# Altium PCB FPGA1.PcbDoc (part 1 of 5) (continued)
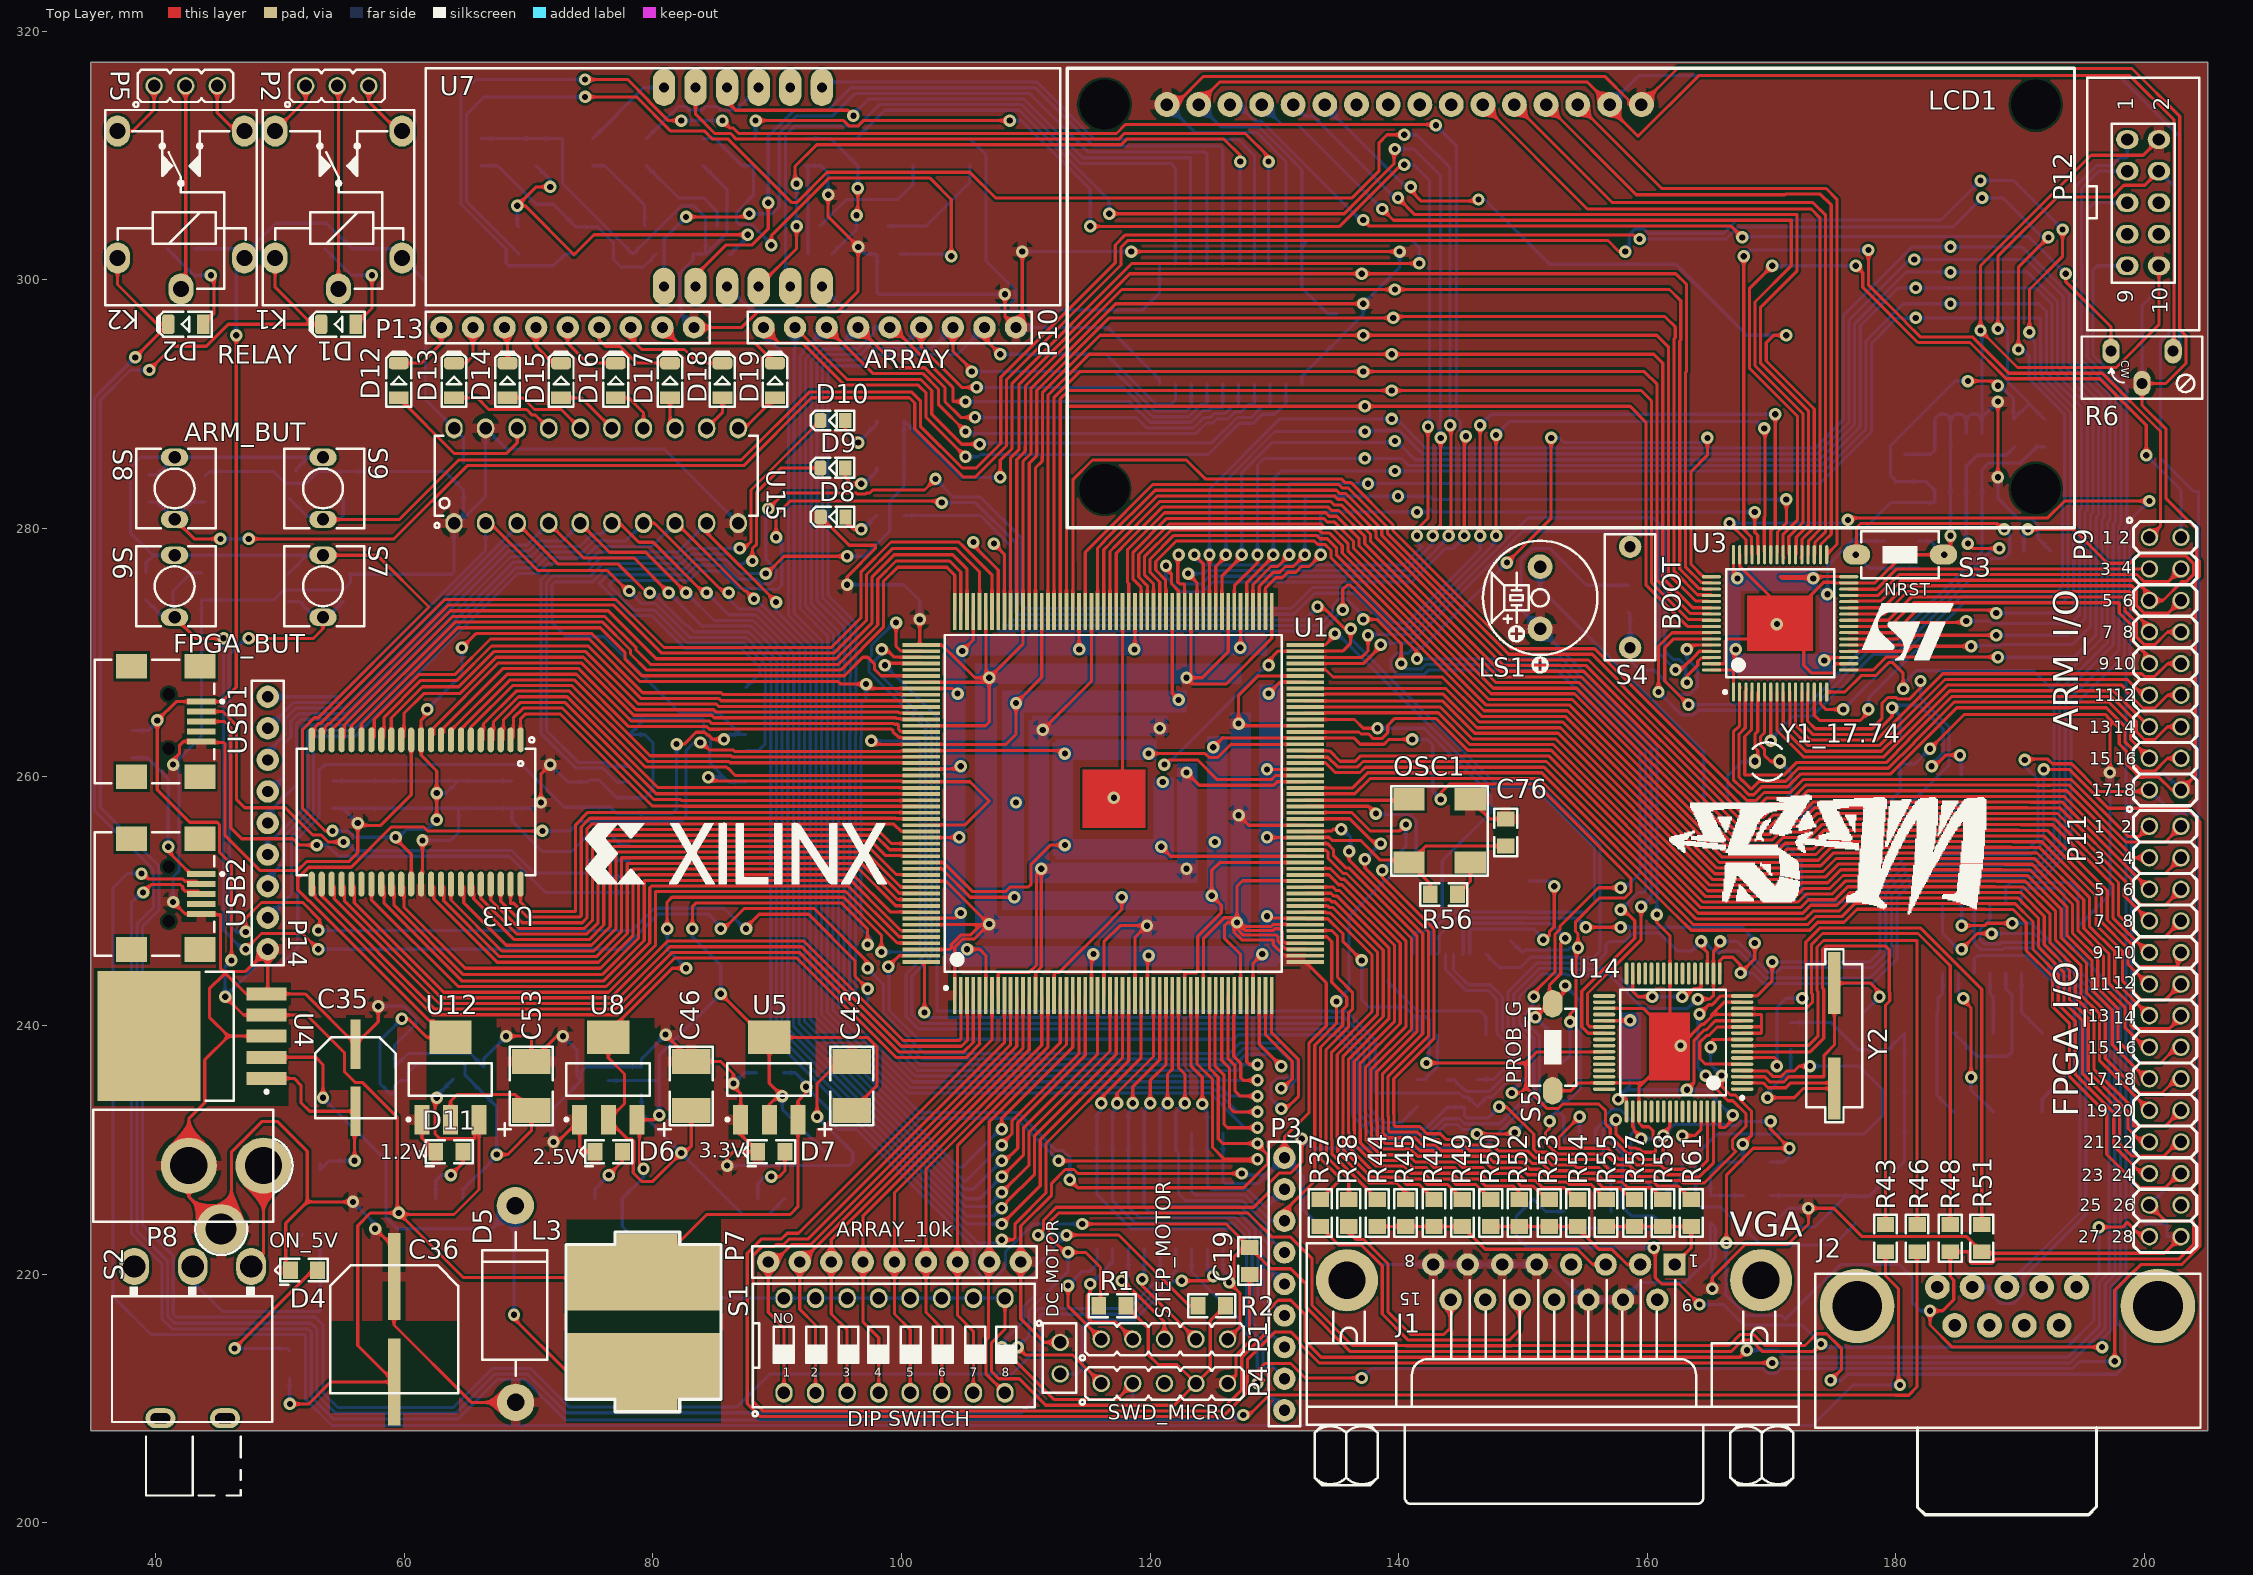
[diagram p0: Top Layer view]
## Footprints (in the part's own frame and the unit in brackets; to place one, negate y for a bottom-side part, rotate by r counter-clockwise, add the part's x,y. Pads: shape width x height; smd on the part's side, far side on the other; paste and mask are expansions set on the pad) (continued)
ADAP_JACK [mm]
  round 4.5 hole 3: 1(7.7,4.5) 2(13.7,4.5)
  round 4 hole 2.5: 1(10.3,-0.6)
  silkscreen extent 0,-2.68 16.04,9, body extent -0.1,-0.5 14.7,9, height 10
"Aray 9" [mm]
  round 1.8 hole 0.9: 1(0,6.985) 2(0,4.445) 3(0,1.905) 4(0,-0.635) 5(0,-3.175) 6(0,-5.715) 7(0,-8.255) 8(0,-10.795) 9(0,-13.335)
  silkscreen extent -1.27,-14.6 1.27,8.25
BOX2x5 [mm]
  oval 1.8x1.5 hole 1: 1(1.247,-5.208) 2(-1.293,-5.208) 3(1.247,-2.668) 4(-1.293,-2.668) 5(1.247,-0.128) 6(-1.293,-0.128) 7(1.247,2.412) 8(-1.293,2.412) 9(1.247,4.952) 10(-1.293,4.952)
  silkscreen extent -4.54,-10.19 4.47,10.13, body extent -4.67,-10.32 4.6,10.25, height 8
BZ_C9 [mm] "BUZZER 9mm DIA, 7.62mm pitch"
  round 2 hole 1: 1(-2.5,0) 2(2.5,0)
  silkscreen extent -6,-4.6 4.6,4.6, body extent -4.55,-4.55 4.55,4.55, height 5.6
C_B [mm]
  rect 3.1x2 smd: 1(-0.002,-2.041) 2(-0.002,1.896)
  Top Layer pour cut-out: -1.829,0.889 -1.829,-3.327 1.829,-3.327 1.829,0.889
  silkscreen extent -2.67,-4.07 1.73,3.07, body extent -1.4,-1.78 1.4,1.78, height 2.23
C_CYL_SMD [mm]
  rect 7x1 smd: 1(4.039,0.076) 2(-4.42,0.076)
  Top Layer pour cut-out: 0.457,5.255 0.457,-5.131 -6.909,-5.131 -6.909,5.227
  silkscreen extent -5.33,-5.08 4.97,5.22, body extent -5.33,-5.08 4.97,5.22, height 10
C_CYL_SMD2 [mm]
  rect 4x0.8 smd: 1(2.769,-0.203) 2(-2.616,-0.203)
  Top Layer pour cut-out: -0.914,3.15 -0.914,-3.556 4.928,-3.556 4.928,3.15
  silkscreen extent -3.18,-3.45 3.32,3.05, body extent -3.18,-3.45 3.32,3.05, height 5
COM_3d [mm]
  round 2 hole 1: 1(-3.35,8.65) 2(-0.55,8.65) 3(2.25,8.65) 4(5.05,8.65) 5(7.85,8.65) 6(-1.95,5.563) 7(0.85,5.563) 8(3.65,5.563) 9(6.45,5.563)
  round 6 hole 4: 10(14.4,7.125) 11(-9.794,7.125)
  silkscreen extent -13.18,-9.67 17.83,9.72, body extent -13.27,-8.55 17.52,9.95, height 12.8
DIP_20 [mm] "DIP, pitch 2.54mm, 300mil Width"
  oval 1.6x1.4 / inner round 1.4 / far side oval 2.2x1.4 hole 1: 1(-3.81,11.43) 2(-3.81,8.89) 3(-3.81,6.35) 4(-3.81,3.81) 5(-3.81,1.27) 6(-3.81,-1.27) 7(-3.81,-3.81) 8(-3.81,-6.35) 9(-3.81,-8.89) 10(-3.81,-11.43) 11(3.81,-11.43) 12(3.81,-8.89) 13(3.81,-6.35) 14(3.81,-3.81) 15(3.81,-1.27) 16(3.81,1.27) 17(3.81,3.81) 18(3.81,6.35) 19(3.81,8.89) 20(3.81,11.43)
  silkscreen extent -4.2,-13 3.2,13, body extent -3.94,-12.89 3.94,12.89, height 5.05
DIPSW254_8 [mm] "SWITCH DIP 8POS, THD, 2.54mm,"
  oval 1.6x1.4 / inner round 1.4 / far side oval 2.2x1.4 hole 1: 1(-3.805,8.89) 2(-3.815,6.35) 3(-3.805,3.81) 4(-3.805,1.27) 5(-3.805,-1.27) 6(-3.805,-3.81) 7(-3.805,-6.35) 8(-3.805,-8.89) 9(3.815,-8.89) 10(3.815,-6.35) 11(3.815,-3.81) 12(3.815,-1.27) 13(3.815,1.27) 14(3.815,3.81) 15(3.815,6.35) 16(3.815,8.89)
  silkscreen extent -5.7,-11.3 4.96,11.41, body extent -4.9,-11.21 4.88,11.29, height 8.25
DSUB_15RF [mm] "CONN, DSUB MINIATURE, 15PIN, R/A, FEMALE"
  rect 1.8x1.8 hole 1 mask+0.1: 1(-9.694,-1.27)
  round 1.8 hole 1 mask+0.1: 2(-6.921,-1.27) 3(-4.149,-1.27) 4(-1.376,-1.27) 5(1.397,-1.27) 6(4.17,-1.27) 7(6.943,-1.27) 8(9.716,-1.27) 9(-8.318,1.57) 10(-5.546,1.57) 11(-2.773,1.57) 12(0,1.57) 13(2.773,1.57) 14(5.546,1.57) 15(8.319,1.57)
  round 5 hole 3: MH1(-16.658,0) MH2(16.658,0)
  silkscreen extent -19.85,-2.96 19.9,18, body extent -19.57,-2.9 19.57,17.9, height 12.57
HDR_F_1X2 [mm] "HEADER FEMALE pitch: 2.54mm"
  round 1.4 / inner round 1.4 / far side oval 1.4x2.2 hole 1 mask+0.1: 1(-1.27,0) 2(1.27,0)
  silkscreen extent -3,-1.9 2.8,1.3, body extent -2.66,-1.3 2.67,1.2, height 8.5
HDR_M_1X3 [mm] "Connector; Header; 3 Position"
  round 1.4 / inner round 1.4 / far side oval 1.4x2.2 hole 1 mask+0.1: 1(-2.54,0) 2(0,0) 3(2.54,0)
  silkscreen extent -4.2,-1.7 3.84,1.3, body extent -3.78,-1.27 3.84,1.27, height 8.54
HDR_M_1X5 [mm] "Connector; Header; 5 Position"
  round 1.4 / inner round 1.4 / far side oval 1.4x2.2 hole 1 mask+0.1: 1(-5.08,0) 2(-2.54,0) 3(0,0) 4(2.54,0) 5(5.08,0)
  silkscreen extent -6.8,-1.7 6.38,1.3, body extent -6.35,-1.27 6.35,1.27, height 8.54
HDR_M_2X9 [mm] "Male Header 2X09 with 2.54 mm Pitch"
  round 1.4 / inner round 1.4 / far side oval 1.4x2.2 hole 1: 1(-10.16,-1.27) 2(-10.16,1.27) 3(-7.62,-1.27) 4(-7.62,1.27) 5(-5.08,-1.27) 6(-5.08,1.27) 7(-2.54,-1.27) 8(-2.54,1.27) 9(0,-1.27) 10(0,1.27) 11(2.54,-1.27) 12(2.54,1.27) 13(5.08,-1.27) 14(5.08,1.27) 15(7.62,-1.27) 16(7.62,1.27) 17(10.16,-1.27) 18(10.16,1.27)
  silkscreen extent -11.73,-3.07 11.43,2.54, body extent -11.43,-2.54 11.43,2.54, height 8.43
HDR_M_2X14 [mm] "Male Header 2X14 with 2.54 mm Pitch"
  round 1.4 / inner round 1.4 / far side oval 1.4x2.2 hole 1: 1(-16.51,-1.27) 2(-16.51,1.27) 3(-13.97,-1.27) 4(-13.97,1.27) 5(-11.43,-1.27) 6(-11.43,1.27) 7(-8.89,-1.27) 8(-8.89,1.27) 9(-6.35,-1.27) 10(-6.35,1.27) 11(-3.81,-1.27) 12(-3.81,1.27) 13(-1.27,-1.27) 14(-1.27,1.27) 15(1.27,-1.27) 16(1.27,1.27) 17(3.81,-1.27) 18(3.81,1.27) 19(6.35,-1.27) 20(6.35,1.27) 21(8.89,-1.27) 22(8.89,1.27) 23(11.43,-1.27) 24(11.43,1.27) 25(13.97,-1.27) 26(13.97,1.27) 27(16.51,-1.27) 28(16.51,1.27)
  silkscreen extent -18.08,-3.07 17.78,2.54, body extent -17.78,-2.54 17.78,2.54, height 8.43
INDUC_SMD [mm]
  rect 2x5 smd: 1(-6.096,-0.508) 2(6.096,-0.508)
  rect 5.3x12.4 smd: 1(-3.556,-0.254) 2(3.556,-0.254)
  Top Layer pour cut-out: -8.128,5.969 -8.128,-6.481 8.255,-6.481 8.255,5.969
  silkscreen extent -7.23,-6.48 7.24,5.97, body extent -6.16,-6.46 6.16,5.84, height 8.16
KEY1 [mm]
  round 1.8 hole 0.9: 1(-4.191,0) 2(3.937,0)
  silkscreen extent -5.21,-2.03 4.95,2.03, body extent -5.21,-2.03 4.95,2.03, height 7.1
LCD2x16_3d [mm]
  round 0 hole 4: 0(-53.575,-16.2) 0(-53.575,14.725) 0(21.35,-16.2) 0(21.35,14.725)
  round 2 hole 1: 1(-48.55,14.725) 2(-46,14.725) 3(-43.475,14.725) 4(-40.925,14.725) 5(-38.4,14.725) 6(-35.85,14.725) 7(-33.3,14.725) 8(-30.75,14.725) 9(-28.2,14.725) 10(-25.675,14.725) 11(-23.125,14.725) 12(-20.6,14.725) 13(-18.05,14.725) 14(-15.5,14.725) 15(-12.925,14.725) 16(-10.375,14.725)
  silkscreen extent -56.57,-19.32 24.48,17.65, body extent -56.15,-19 23.85,17, height 24.8
Led0805 [mm]
  rect 1.4x1.2 smd: 1(0.025,1.092) 2(0.025,-1.092)
  Top Layer pour cut-out: -0.991,0.508 -0.991,-0.483 1.041,-0.483 1.041,0.508
  silkscreen extent -0.89,-2.34 1.19,1.91, body extent -0.62,-1 0.63,1, height 0.7
LED0805GRN [mm] "LED SMD 0805, GREEN"
  rect 1x1.2 smd paste-2 mask+0.075: 1(-1,0)
  rrect50% 1x1.2 smd paste-2 mask+0.075: 2(1,0)
  Top Layer pour cut-out: -0.5,0.8 0.5,0.8 0.5,-0.8 -0.5,-0.8
  silkscreen extent -1.7,-0.8 1.8,0.8, body extent -1,-0.63 1,0.63, height 0.7
LED1206GRN [mm] "LED, 1206, GREEN"
  rect 1x1.6 smd paste-0.2 mask+0.075: 1(-1.4,0)
  rrect50% 1x1.6 smd paste-0.2 mask+0.075: 2(1.4,0)
  Top Layer pour cut-out: -1.1,1.1 -1.1,-1.1 1.1,-1.1 1.1,1.1
  silkscreen extent -2.1,-1 2.3,1, body extent -1.6,-0.8 1.6,0.8, height 0.68
LED1206RED [mm] "LED, 1206, RED"
  rect 1x1.6 smd paste-0.2 mask+0.075: 1(-1.4,0)
  rrect50% 1x1.6 smd paste-0.2 mask+0.075: 2(1.4,0)
  Top Layer pour cut-out: -1.1,1.1 -1.1,-1.1 1.1,-1.1 1.1,1.1
  silkscreen extent -2.1,-1 2.3,1, body extent -1.6,-0.8 1.6,0.8, height 0.68
LM2576_SMD [mm]
  rect 1.05x3.2 smd: 1(-3.4,-9.048) 2(-1.7,-9.048) 3(0,-9.048) 4(1.7,-9.048) 5(3.4,-9.048)
  rect 10.45x8.3 smd: 6(0,0.402)
  Top Layer pour cut-out: -5.588,4.826 -5.588,-10.795 2.794,-10.795 2.794,-6.35 5.461,-6.35 5.461,4.826
  silkscreen extent -5.2,-9.17 5.2,-4.15, body extent -5.2,-6.4 5.2,3, height 4.65
LQFP64_L [mm] "Thin QFP, 64-Leads, Body 10x10mm, Pitch 0.5mm, IPC High Density"
  oval 1.55x0.25 smd: 1(-5.525,3.75) 2(-5.525,3.25) 3(-5.525,2.75) 4(-5.525,2.25) 5(-5.525,1.75) 6(-5.525,1.25) 7(-5.525,0.75) 8(-5.525,0.25) 9(-5.525,-0.25) 10(-5.525,-0.75) 11(-5.525,-1.25) 12(-5.525,-1.75) 13(-5.525,-2.25) 14(-5.525,-2.75) 15(-5.525,-3.25) 16(-5.525,-3.75) 33(5.525,-3.75) 34(5.525,-3.25) 35(5.525,-2.75) 36(5.525,-2.25) 37(5.525,-1.75) 38(5.525,-1.25) 39(5.525,-0.75) 40(5.525,-0.25) 41(5.525,0.25) 42(5.525,0.75) 43(5.525,1.25) 44(5.525,1.75) 45(5.525,2.25) 46(5.525,2.75) 47(5.525,3.25) 48(5.525,3.75)
  oval 0.25x1.55 smd: 17(-3.75,-5.525) 18(-3.25,-5.525) 19(-2.75,-5.525) 20(-2.25,-5.525) 21(-1.75,-5.525) 22(-1.25,-5.525) 23(-0.75,-5.525) 24(-0.25,-5.525) 25(0.25,-5.525) 26(0.75,-5.525) 27(1.25,-5.525) 28(1.75,-5.525) 29(2.25,-5.525) 30(2.75,-5.525) 31(3.25,-5.525) 32(3.75,-5.525) 49(3.75,5.525) 50(3.25,5.525) 51(2.75,5.525) 52(2.25,5.525) 53(1.75,5.525) 54(1.25,5.525) 55(0.75,5.525) 56(0.25,5.525) 57(-0.25,5.525) 58(-0.75,5.525) 59(-1.25,5.525) 60(-1.75,5.525) 61(-2.25,5.525) 62(-2.75,5.525) 63(-3.25,5.525) 64(-3.75,5.525)
  silkscreen extent -5.65,-4.35 4.35,4.55, body extent -5,-5 5,5, height 1.6
LQFP-64_N [mm] "Thin QFP, 64-Leads, Body 10x10mm, Pitch 0.5mm, IPC Medium Density"
  oval 1.8x0.3 smd: 1(-5.55,3.75) 2(-5.55,3.25) 3(-5.55,2.75) 4(-5.55,2.25) 5(-5.55,1.75) 6(-5.55,1.25) 7(-5.55,0.75) 8(-5.55,0.25) 9(-5.55,-0.25) 10(-5.55,-0.75) 11(-5.55,-1.25) 12(-5.55,-1.75) 13(-5.55,-2.25) 14(-5.55,-2.75) 15(-5.55,-3.25) 16(-5.55,-3.75) 33(5.55,-3.75) 34(5.55,-3.25) 35(5.55,-2.75) 36(5.55,-2.25) 37(5.55,-1.75) 38(5.55,-1.25) 39(5.55,-0.75) 40(5.55,-0.25) 41(5.55,0.25) 42(5.55,0.75) 43(5.55,1.25) 44(5.55,1.75) 45(5.55,2.25) 46(5.55,2.75) 47(5.55,3.25) 48(5.55,3.75)
  oval 0.3x1.8 smd: 17(-3.75,-5.55) 18(-3.25,-5.55) 19(-2.75,-5.55) 20(-2.25,-5.55) 21(-1.75,-5.55) 22(-1.25,-5.55) 23(-0.75,-5.55) 24(-0.25,-5.55) 25(0.25,-5.55) 26(0.75,-5.55) 27(1.25,-5.55) 28(1.75,-5.55) 29(2.25,-5.55) 30(2.75,-5.55) 31(3.25,-5.55) 32(3.75,-5.55) 49(3.75,5.55) 50(3.25,5.55) 51(2.75,5.55) 52(2.25,5.55) 53(1.75,5.55) 54(1.25,5.55) 55(0.75,5.55) 56(0.25,5.55) 57(-0.25,5.55) 58(-0.75,5.55) 59(-1.25,5.55) 60(-1.75,5.55) 61(-2.25,5.55) 62(-2.75,5.55) 63(-3.25,5.55) 64(-3.75,5.55)
  silkscreen extent -5.68,-4.25 4.25,4.57, body extent -5,-5 5,5, height 1.6
MINI_USB_NEW [mm]
  rect 0.5x2.3 smd mask+0.04: 1(1.468,-2.626) 2(0.668,-2.626) 3(-0.132,-2.626) 4(-0.932,-2.626) 5(-1.732,-2.626)
  rect 2x2.5 smd: 6(-4.582,-2.526) 7(-4.582,2.974) 8(4.318,-2.526) 9(4.318,2.974)
  round 0.6 hole 1 unplated: MH1(-2.332,-0.026) MH2(2.068,-0.026)
  silkscreen extent -5.08,-4.45 4.82,5.92, body extent -5.08,-3.38 4.82,5.87, height 3.93
OSC_SMD [mm]
  rect 1.8x2.5 smd: 1(1.067,1.404) 2(6.147,1.404) 3(6.147,6.324) 4(1.067,6.324)
  silkscreen extent 0,0 7.2,7.75, body extent 0,1.3 7.2,6.5, height 1.7
POT_3296Y [mm] "POT, TRIM, 10.0X5.0mm, pitch: 2.5mm, MURATA, PV36Y 3296Y S64Y"
  oval 1.4x2 / inner round 1.2 / far side oval 1.4x2 hole 0.9: 1(-2.5,-1.3) 2(0,1.3) 3(2.5,-1.3)
  silkscreen extent -4.84,-2.47 4.86,2.53, body extent -4.84,-2.47 4.76,2.53, height 11.3
REL_SPDT_5_1512 [mm] "RELAY, SPDT, 15.40x12.10x14.0mm, G8QN, SUN HOLD RAM"
  oval 2x2.5 hole 1.3: 1(0,2.5) 2(5.1,-10.2) 3(-5.1,-10.2) 4(-5.1,0) 5(5.1,0)
  silkscreen extent -6.1,-11.9 6.1,3.8, body extent -6,-11.8 6,3.7, height 14
S7_MUX [mm]
  oval 1.8x3 hole 0.8: 1(-6.35,7.112) 2(-3.81,7.112) 3(-1.27,7.112) 4(1.27,7.112) 5(3.81,7.112) 6(6.35,7.112) 7(-6.35,-8.89) 8(-3.81,-8.89) 9(-1.27,-8.89) 10(1.27,-8.89) 11(3.81,-8.89) 12(6.35,-8.89)
  silkscreen extent -25.53,-10.41 25.53,8.64, body extent -25.21,-10.4 25.19,8.6, height 8
SMD_805 [mm]
  rect 1.4x1.2 smd: 1(0.025,1.092) 2(0.025,-1.092)
  Top Layer pour cut-out: -0.991,0.508 -0.991,-0.483 1.041,-0.483 1.041,0.508
  silkscreen extent -0.89,-1.91 0.94,1.91, body extent -0.65,-1.15 0.7,1.15, height 0.76
smd_805 [mm]
  rect 1.4x1.2 smd: 1(0.025,1.092) 2(0.025,-1.092)
  Top Layer pour cut-out: -0.991,0.508 -0.991,-0.483 1.041,-0.483 1.041,0.508
  silkscreen extent -0.89,-1.91 0.94,1.91, body extent -0.65,-1.15 0.7,1.15, height 0.76
SO_8 [mm] "SOP-8, 5x3.9mm body 1.27mm pitch, SOT96-1, M08A, S8, SOIC8, VO8, MS-012AA(JEDEC), R-8, 8S2, VOG8"
  oval 2x0.6 smd: 1(-2.8,1.905) 2(-2.8,0.635) 3(-2.8,-0.635) 4(-2.8,-1.905) 5(2.8,-1.905) 6(2.8,-0.635) 7(2.8,0.635) 8(2.8,1.905)
  silkscreen extent -2.8,-2.7 2.1,2.8, body extent -3,-2.45 3,2.45, height 1.7
SO_16 [mm] "SOP, SOIC, 3.9mm width, 1.27mm pitch,"
  oval 2x0.6 smd: 1(-2.8,4.445) 2(-2.8,3.175) 3(-2.8,1.905) 4(-2.8,0.635) 5(-2.8,-0.635) 6(-2.8,-1.905) 7(-2.8,-3.175) 8(-2.8,-4.445) 9(2.8,-4.445) 10(2.8,-3.175) 11(2.8,-1.905) 12(2.8,-0.635) 13(2.8,0.635) 14(2.8,1.905) 15(2.8,3.175) 16(2.8,4.445)
  silkscreen extent -2.8,-5.2 2.1,5.4, body extent -3.1,-4.95 3.1,4.95, height 1.7
SO_20_W [mm] "SOP, SOIC, 7.5mm width, 1.27mm pitch,"
  oval 2.4x0.6 smd: 1(-4.8,5.715) 2(-4.8,4.445) 3(-4.8,3.175) 4(-4.8,1.905) 5(-4.8,0.635) 6(-4.8,-0.635) 7(-4.8,-1.905) 8(-4.8,-3.175) 9(-4.8,-4.445) 10(-4.8,-5.715) 11(4.8,-5.715) 12(4.8,-4.445) 13(4.8,-3.175) 14(4.8,-1.905) 15(4.8,-0.635) 16(4.8,0.635) 17(4.8,1.905) 18(4.8,3.175) 19(4.8,4.445) 20(4.8,5.715)
  silkscreen extent -4.9,-6.6 3.8,6.7, body extent -5.33,-6.5 5.32,6.5, height 2.65
SO_28_W [mm] "SOP, SOIC, 7.5mm width, 1.27mm pitch,"
  oval 2x0.6 smd: 1(-4.7,8.255) 2(-4.7,6.985) 3(-4.7,5.715) 4(-4.7,4.445) 5(-4.7,3.175) 6(-4.7,1.905) 7(-4.7,0.635) 8(-4.7,-0.635) 9(-4.7,-1.905) 10(-4.7,-3.175) 11(-4.7,-4.445) 12(-4.7,-5.715) 13(-4.7,-6.985) 14(-4.7,-8.255) 15(4.7,-8.255) 16(4.7,-6.985) 17(4.7,-5.715) 18(4.7,-4.445) 19(4.7,-3.175) 20(4.7,-1.905) 21(4.7,-0.635) 22(4.7,0.635) 23(4.7,1.905) 24(4.7,3.175) 25(4.7,4.445) 26(4.7,5.715) 27(4.7,6.985) 28(4.7,8.255)
  silkscreen extent -4.9,-9.1 3.8,9.2, body extent -5.15,-9 5.15,9, height 2.65
SOG80_44 [mm]
  oval 2x0.5 smd: 1(-5.8,8.4) 2(-5.8,7.6) 3(-5.8,6.8) 4(-5.8,6) 5(-5.8,5.2) 6(-5.8,4.4) 7(-5.8,3.6) 8(-5.8,2.8) 9(-5.8,2) 10(-5.8,1.2) 11(-5.8,0.4) 12(-5.8,-0.4) 13(-5.8,-1.2) 14(-5.8,-2) 15(-5.8,-2.8) 16(-5.8,-3.6) 17(-5.8,-4.4) 18(-5.8,-5.2) 19(-5.8,-6) 20(-5.8,-6.8) 21(-5.8,-7.6) 22(-5.8,-8.4) 23(5.8,-8.4) 24(5.8,-7.6) 25(5.8,-6.8) 26(5.8,-6) 27(5.8,-5.2) 28(5.8,-4.4) 29(5.8,-3.6) 30(5.8,-2.8) 31(5.8,-2) 32(5.8,-1.2) 33(5.8,-0.4) 34(5.8,0.4) 35(5.8,1.2) 36(5.8,2) 37(5.8,2.8) 38(5.8,3.6) 39(5.8,4.4) 40(5.8,5.2) 41(5.8,6) 42(5.8,6.8) 43(5.8,7.6) 44(5.8,8.4)
  silkscreen extent -6,-9.6 5.1,9.6, body extent -5.88,-9.1 5.88,9.11, height 1.3
SOL18 [mm]
  rect 2.5x0.6 smd: 1(-4.652,5.055) 2(-4.652,3.785) 3(-4.652,2.515) 4(-4.652,1.245) 5(-4.652,-0.025) 6(-4.652,-1.295) 7(-4.652,-2.565) 8(-4.652,-3.835) 9(-4.652,-5.105) 10(4.652,-5.105) 11(4.652,-3.835) 12(4.652,-2.565) 13(4.652,-1.295) 14(4.652,-0.025) 15(4.652,1.245) 16(4.652,2.515) 17(4.652,3.785) 18(4.652,5.055)
  silkscreen extent -4.67,-5.93 3,6.03, body extent -3.8,-5.98 3.8,5.92, height 2.65
SOT223 [mm]
  rect 1.2x2.4 smd: 1(-2.337,-3.302) 2(-0.034,-3.302) 3(2.265,-3.302)
  rect 3.4x2.7 smd: 2(-0.034,3.327)
  Top Layer pour cut-out: -1.981,4.902 -1.981,-4.648 3.708,-4.648 3.708,4.902
  silkscreen extent -3.53,-3.4 3.3,1.25, body extent -3.4,-1.9 3.3,1.8, height 1.7
SOT-23 [mm]
  rect 0.6x1.15 smd: 1(0.981,-1.081) 2(-0.919,-1.081) 3(0.031,1.169)
  silkscreen extent -1.89,-1.21 1.53,0.74, body extent -1.42,-1.18 1.48,1.12, height 1
SWPBS_SPST_6X3X2 [mm] "SWITCH, PUSHBUTTON, SMD, SPST, 6X3.5X2.5mm, RS-282G05A3, SKQYPA, 50000 Cycles"
  oval 2.2x1.6 smd mask+0.1: 1(-3.5,0) 2(3.5,0)
  silkscreen extent -3.1,-1.9 3.1,1.9, body extent -3.4,-1.86 3.4,1.86, height 2.5
SWPBT_SPST_6X6X5 [mm] "SWITCH, PUSHBUTTON, THD, SPST,"
  oval 1.4x2.2 hole 1 mask+0.1: 1(-2.5,0) 2(2.5,0)
  silkscreen extent -3.2,-3.3 3.2,3.1, body extent -3.12,-3.2 3.12,3.03, height 5
SWTOG_SPDT_R_7101MD9 [mm] "Switch Toggle, 7101MD9ABE"
  oval 2.4x3 hole 1.8: 1(-4.7,0) 2(0,0) 3(4.7,0)
  oval 2.4x1.6 hole 0.8 slot 1.6 at 0 deg: " "(-2.6,12.2) " "(2.6,12.2)
  silkscreen extent -6.4,1.6 6.5,18.41, body extent -6.35,-0.4 6.35,26.54, height 6.93
TVS [mm]
  rect 3.1x2.5 smd: 1(-0.025,-2.616) 2(-0.025,2.591)
  Top Layer pour cut-out: -1.803,1.321 -1.803,-1.346 1.727,-1.346 1.727,1.321
  silkscreen extent -2.08,-3.99 1.65,3.96, body extent -1.5,-2.76 1.42,2.74, height 2.23
XC3S400_PQ208 [mm]
  rect 3x0.3 smd: 1(-15.632,12.88) 2(-15.632,12.386) 3(-15.632,11.886) 4(-15.632,11.386) 5(-15.632,10.886) 6(-15.632,10.386) 7(-15.632,9.886) 8(-15.632,9.386) 9(-15.632,8.886) 10(-15.632,8.386) 11(-15.632,7.886) 12(-15.632,7.386) 13(-15.632,6.886) 14(-15.632,6.386) 15(-15.632,5.886) 16(-15.632,5.386) 17(-15.632,4.886) 18(-15.632,4.386) 19(-15.632,3.886) 20(-15.632,3.386) 21(-15.632,2.886) 22(-15.632,2.386) 23(-15.632,1.886) 24(-15.632,1.386) 25(-15.632,0.886) 26(-15.632,0.386) 27(-15.632,-0.114) 28(-15.632,-0.614) 29(-15.632,-1.114) 30(-15.632,-1.614) 31(-15.632,-2.114) 32(-15.632,-2.614) 33(-15.632,-3.114) 34(-15.632,-3.614) 35(-15.632,-4.114) 36(-15.632,-4.614) 37(-15.632,-5.114) 38(-15.632,-5.614) 39(-15.632,-6.114) 40(-15.632,-6.614) 41(-15.632,-7.114) 42(-15.632,-7.614) 43(-15.632,-8.114) 44(-15.632,-8.614) 45(-15.632,-9.114) 46(-15.632,-9.614) 47(-15.632,-10.114) 48(-15.632,-10.614) 49(-15.632,-11.114) 50(-15.632,-11.614) 51(-15.632,-12.114) 52(-15.632,-12.614) 105(15.261,-12.614) 106(15.261,-12.114) 107(15.261,-11.614) 108(15.261,-11.114) 109(15.261,-10.614) 110(15.261,-10.114) 111(15.261,-9.614) 112(15.261,-9.114) 113(15.261,-8.614) 114(15.261,-8.114) 115(15.261,-7.614) 116(15.261,-7.114) 117(15.261,-6.614) 118(15.261,-6.114) 119(15.261,-5.614) 120(15.261,-5.114) 121(15.261,-4.614) 122(15.261,-4.114) 123(15.261,-3.614) 124(15.261,-3.114) 125(15.261,-2.614) 126(15.261,-2.114) 127(15.261,-1.614) 128(15.261,-1.114) 129(15.261,-0.614) 130(15.261,-0.114) 131(15.261,0.386) 132(15.261,0.886) 133(15.261,1.386) 134(15.261,1.886) 135(15.261,2.386) 136(15.261,2.886) 137(15.261,3.386) 138(15.261,3.886) 139(15.261,4.386) 140(15.261,4.886) 141(15.261,5.386) 142(15.261,5.886) 143(15.261,6.386) 144(15.261,6.886) 145(15.261,7.386) 146(15.261,7.886) 147(15.261,8.386) 148(15.261,8.886) 149(15.261,9.386) 150(15.261,9.886) 151(15.261,10.386) 152(15.261,10.886) 153(15.261,11.386) 154(15.261,11.886) 155(15.261,12.386) 156(15.261,12.886)
  rect 0.3x3 smd: 53(-12.929,-15.314) 54(-12.429,-15.314) 55(-11.929,-15.314) 56(-11.429,-15.314) 57(-10.929,-15.314) 58(-10.429,-15.314) 59(-9.929,-15.314) 60(-9.429,-15.314) 61(-8.929,-15.314) 62(-8.429,-15.314) 63(-7.929,-15.314) 64(-7.429,-15.314) 65(-6.929,-15.314) 66(-6.429,-15.314) 67(-5.929,-15.314) 68(-5.429,-15.314) 69(-4.929,-15.314) 70(-4.429,-15.314) 71(-3.929,-15.314) 72(-3.429,-15.314) 73(-2.929,-15.314) 74(-2.429,-15.314) 75(-1.929,-15.314) 76(-1.429,-15.314) 77(-0.929,-15.314) 78(-0.429,-15.314) 79(0.071,-15.314) 80(0.571,-15.314) 81(1.071,-15.314) 82(1.571,-15.314) 83(2.071,-15.314) 84(2.571,-15.314) 85(3.071,-15.314) 86(3.571,-15.314) 87(4.071,-15.314) 88(4.571,-15.314) 89(5.071,-15.314) 90(5.571,-15.314) 91(6.071,-15.314) 92(6.571,-15.314) 93(7.071,-15.314) 94(7.571,-15.314) 95(8.071,-15.314) 96(8.571,-15.314) 97(9.071,-15.314) 98(9.571,-15.314) 99(10.071,-15.314) 100(10.571,-15.314) 101(11.071,-15.314) 102(11.571,-15.314) 103(12.071,-15.314) 104(12.571,-15.314) 157(12.571,15.576) 158(12.071,15.576) 159(11.571,15.576) 160(11.071,15.576) 161(10.571,15.576) 162(10.071,15.576) 163(9.571,15.576) 164(9.071,15.576) 165(8.571,15.576) 166(8.071,15.576) 167(7.571,15.576) 168(7.071,15.576) 169(6.571,15.576) 170(6.071,15.576) 171(5.571,15.576) 172(5.071,15.576) 173(4.571,15.576) 174(4.071,15.576) 175(3.571,15.576) 176(3.071,15.576) 177(2.571,15.576) 178(2.071,15.576) 179(1.571,15.576) 180(1.071,15.576) 181(0.571,15.576) 182(0.071,15.576) 183(-0.429,15.576) 184(-0.929,15.576) 185(-1.429,15.576) 186(-1.929,15.576) 187(-2.429,15.576) 188(-2.929,15.576) 189(-3.429,15.576) 190(-3.929,15.576) 191(-4.429,15.576) 192(-4.929,15.576) 193(-5.429,15.576) 194(-5.929,15.576) 195(-6.429,15.576) 196(-6.929,15.576) 197(-7.429,15.576) 198(-7.929,15.576) 199(-8.429,15.576) 200(-8.929,15.576) 201(-9.429,15.576) 202(-9.929,15.576) 203(-10.429,15.576) 204(-10.929,15.576) 205(-11.429,15.576) 206(-11.929,15.576) 207(-12.429,15.576) 208(-12.929,15.576)
  silkscreen extent -15.15,-13.41 13.37,13.71, body extent -14.18,-13.86 13.82,14.14, height 4.1
XCF02S [mm]
  rect 2.5x0.38 smd: 1(-3.304,2.849) 2(-3.304,2.199) 3(-3.304,1.549) 4(-3.304,0.899) 5(-3.304,0.249) 6(-3.304,-0.401) 7(-3.304,-1.051) 8(-3.304,-1.701) 9(-3.304,-2.351) 10(-3.304,-3.001) 11(3.202,-3.001) 12(3.202,-2.351) 13(3.202,-1.701) 14(3.202,-1.051) 15(3.202,-0.401) 16(3.202,0.249) 17(3.202,0.899) 18(3.202,1.549) 19(3.202,2.199) 20(3.202,2.849)
  silkscreen extent -3.03,-3.38 1.55,3.7, body extent -2.03,-3.44 1.94,3.41, height 1.3
XTAL_SMD [mm]
  rect 5x1 smd: 1(-4.216,-0.051) 2(4.267,-0.051)
  silkscreen extent -6.93,-2.29 6.98,2.21, body extent -6.4,-2.41 6.4,2.42, height 4.3
XTLT_RTC_ST [mm] "CRYSTAL RTC STAND, AB26T"
  oval 1x1.2 hole 0.6: 1(-1,0) 2(1,0)
  silkscreen extent -1.17,-1.55 1.19,1.55, body extent -1.72,-1.6 1.73,1.6, height 8.98

## Part data
C1 C2 C3 C4 C5 C6 C7 C8 C9 C10 C11 C12 C13 C14 C15 C16 C17 C18 C19 C20 C21 C22 C23 C24 C25 C26 C27 C28 C29 C30 C31 C32 C33 C34 C35 C36 C37 C38 C39 C40 C41 C42 C44 C45 C47 C48 C49 C50 C51 C52 C54 C55 C56 C57 C58 C59 C60 C61 C62 C63 C64 C65 C66 C67 C68 C69 C70 C74 C75 C76 C78: "Capacitor", LatestRevisionDate=17-Jul-2002, LatestRevisionNote="Re-released for DXP Platform.", PackageDescription="Radial Cap, Thru-Hole; 2 Leads; 0.3 in Pin Spacing", PackageReference=RAD-0.3, Published=8-Jun-2000, Publisher="Altium Limited"
C43 C46 C53: library part "Cap Pol3", "Polarized Capacitor (Surface Mount)", LatestRevisionDate=29-May-2009, LatestRevisionNote="IPC-7351 Footprint Added.", PackageDescription="Chip Capacitor", PackageReference=C0805, Published=8-Jun-2000, Publisher="Altium Limited"
C71 C72 C73 C77: "Polarized Capacitor (Axial)", LatestRevisionDate=17-Jul-2002, LatestRevisionNote="Re-released for DXP Platform.", PackageDescription="Polarized Capacitor; 2 Leads", PackageReference=POLAR0.8, Published=8-Jun-2000, Publisher="Altium Limited"
D1 D2 D8 D9 D10 D12 D13 D14 D15 D16 D17 D18 D19: "Typical INFRARED GaAs LED", LatestRevisionDate=08-Jul-2005, LatestRevisionNote="Mech Layer 1 removed.", PackageDescription="LED; 2 Leads", PackageReference=LED-0, Published=8-Jun-2000, Publisher="Altium Limited"
D3: library part "Diode 1N4001", "1 Amp General Purpose Rectifier", Code_JEDEC=DO-204-AL, ComponentLink1Description="Manufacturer Link", ComponentLink1URL=http://www.fairchildsemi.com/, ComponentLink2Description=Datasheet, ComponentLink2URL=http://www.fairchildsemi.com/ds/1N%2F1N4001.pdf, DatasheetVersion=1998, LatestRevisionDate=17-Jul-2002, LatestRevisionNote="Re-released for DXP Platform.", PackageDescription="Diode, Axial; Body 5.2 x 2.7 mm (LxDia. max), Lead Dia. 0.86 mm (max)", PackageReference=DO-41, PackageVersion=Aug-1999, Published=8-Jun-2000, Publisher="Altium Limited"
D4 D6 D7 D11: library part LED0, "Typical INFRARED GaAs LED", LatestRevisionDate=08-Jul-2005, LatestRevisionNote="Mech Layer 1 removed.", PackageDescription="LED; 2 Leads", PackageReference=LED-0, Published=8-Jun-2000, Publisher="Altium Limited"
D5: "Schottky Rectifier", Code_JEDEC=DO-204-AL, ComponentLink1Description="Manufacturer Link", ComponentLink1URL=http://www.irf.com/, ComponentLink2Description=Datasheet, ComponentLink2URL=http://www.irf.com/product-info/datasheets/data/11dq03.pdf, DatasheetVersion=Dec-1997, LatestRevisionDate=17-Jul-2002, LatestRevisionNote="Re-released for DXP Platform.", PackageDescription="Diode, Axial; Body 5.2 x 2.7 mm (LxDia. max), Lead Dia. 0.86 mm (max)", PackageReference=DO-204AL, Published=8-Jun-2000, Publisher="Altium Limited"
DC_MOTOR: library part "Header 2", "Header, 2-Pin", LatestRevisionDate=17-Jul-2002, LatestRevisionNote="Re-released for DXP Platform.", Publisher="Altium Limited"
J1: "Receptacle Assembly, 15-Pin, Sim Line Connector", PackageDocument=B, DatasheetDocument=24-Nov-1999, Gender="Receptacle Header", LatestRevisionDate=17-Jul-2002, LatestRevisionNote="Re-released for DXP Platform.", Orientation="Right Angle", PackageReference=788574, Positions=15, Published=15-Jun-2001, Publisher="Altium Limited"
J2: "Receptacle Assembly, 9 Position, Right Angle", PackageDocument=O, DatasheetDocument=1-Sep-1999, Gender=Receptacle, LatestRevisionDate=17-Jul-2002, LatestRevisionNote="Re-released for DXP Platform.", Orientation="Right Angle", PackageReference=788750, Positions=9, Published=15-Jun-2001, Publisher="Altium Limited"
K1 K2: "SPDT Relay", LatestRevisionDate=17-Jul-2002, LatestRevisionNote="Re-released for DXP Platform.", PackageReference=MODULE5B, Published=8-Jun-2000, Publisher="Altium Limited"
L4 L5 L6: library part Inductor, "Inductor", Code_IEC=1005, Code_JEITA=0402, LatestRevisionDate=29-May-2009, LatestRevisionNote="IPC-7351 Footprint Added.", PackageDescription="Chip Inductor", PackageReference=0402-A, Published=8-Jun-2000, Publisher="Altium Limited"
LS1: "Loudspeaker", LatestRevisionDate=17-Jul-2002, LatestRevisionNote="Re-released for DXP Platform.", PackageReference=PIN2, Published=24-Mar-1999, Publisher="Altium Limited"
OSC1 U5 U7 U8 U12: library part Component_1
  OSC1: Designer="Mohammad Ansari"
P1 P4: library part "Header 5", "Header, 5-Pin", LatestRevisionDate=17-Jul-2002, LatestRevisionNote="Re-released for DXP Platform.", Publisher="Altium Limited"
P2 P5: library part "Header 3", "Header, 3-Pin", LatestRevisionDate=17-Jul-2002, LatestRevisionNote="Re-released for DXP Platform.", Publisher="Altium Limited"
P3 P7 P13 P14: library part "Header 9", "Header, 9-Pin", LatestRevisionDate=17-Jul-2002, LatestRevisionNote="Re-released for DXP Platform.", Publisher="Altium Limited"
P8: "Header, 2-Pin", LatestRevisionDate=17-Jul-2002, LatestRevisionNote="Re-released for DXP Platform.", Publisher="Altium Limited"
P9: "Header, 9-Pin, Dual row", LatestRevisionDate=17-Jul-2002, LatestRevisionNote="Re-released for DXP Platform.", Publisher="Altium Limited"
P10: "Header, 9-Pin", LatestRevisionDate=17-Jul-2002, LatestRevisionNote="Re-released for DXP Platform.", Publisher="Altium Limited"
P11: "Header, 14-Pin, Dual row", LatestRevisionDate=17-Jul-2002, LatestRevisionNote="Re-released for DXP Platform.", Publisher="Altium Limited"
P12: "Header, 5-Pin, Dual row", LatestRevisionDate=17-Jul-2002, LatestRevisionNote="Re-released for DXP Platform.", Publisher="Altium Limited"
Q1 Q2 Q3 Q4: library part 2N3904, "NPN General Purpose Amplifier", Code_JEDEC=TO-92A, ComponentLink1Description="Manufacturer Link", ComponentLink1URL=http://www.fairchildsemi.com/, ComponentLink2Description=Datasheet, ComponentLink2URL=http://www.fairchildsemi.com/ds/2N%2F2N3904.pdf, DatasheetVersion=1997, LatestRevisionDate=15-Jan-2003, LatestRevisionNote="PCB Footprint 'BCY-W3/D4.7' replaced", PackageReference=TO-92A, PackageVersion=Sep-1998, Published=8-Jun-2000, Publisher="Altium Limited"
R1 R2 R3 R4 R5 R7 R8 R9 R10 R11 R12 R13 R14 R15 R16 R17 R18 R19 R20 R21 R22 R23 R24 R25 R26 R27 R28 R29 R30 R31 R32 R33 R34 R35 R36 R39 R40 R41 R42 R43 R46 R48 R51 R56 R59 R60: "Resistor", LatestRevisionDate=17-Jul-2002, LatestRevisionNote="Re-released for DXP Platform.", PackageReference=AXIAL-0.3, Published=8-Jun-2000, Publisher="Altium Limited"
  R1 R2 R3 R4 R5 R7 R8 R9 R14 R23 R26 R27 R28 R29 R30 R31 R32 R33 R34 R35 R36 R39 R40 R41 R42 R43 R46 R48 R51 R56 R59 R60: PackageDescription="Axial Device, Thru-Hole; 2 Leads; 0.3 in Pin Spacing"
R6: "Potentiometer", LatestRevisionDate=17-Jul-2002, LatestRevisionNote="Re-released for DXP Platform.", PackageDescription="Variable Resistor, Thru-Hole; 3 Leads", PackageReference=VR5, Published=8-Jun-2000, Publisher="Altium Limited", Set Position=0.5, Sim Note="Enter the Resistance value and the set point into parameter fields."
R37 R38 R44 R45 R47 R49 R50 R52 R53 R54 R55 R57 R58 R61: library part Res1, "Resistor", LatestRevisionDate=17-Jul-2002, LatestRevisionNote="Re-released for DXP Platform.", PackageDescription="Axial Device, Thru-Hole; 2 Leads; 0.3 in Pin Spacing", PackageReference=AXIAL-0.3, Published=8-Jun-2000, Publisher="Altium Limited"
S1: "DIP Switch, 8 Position, SPST", LatestRevisionDate=17-Jul-2002, LatestRevisionNote="Re-released for DXP Platform.", PackageDescription="DIP Switch; 16 Leads", PackageReference=DIP_SW_8WAY_SMD, Published=24-Mar-1999, Publisher="Altium Limited"
S2 S4: "Single-Pole, Single-Throw Switch", LatestRevisionDate=17-Jul-2002, LatestRevisionNote="Re-released for DXP Platform.", PackageDescription="Switch; 2 Leads", PackageReference=SPST-2, Published=24-Mar-1999, Publisher="Altium Limited"
S3 S5 S6 S7 S8 S9: "Switch", LatestRevisionDate=17-Jul-2002, LatestRevisionNote="Re-released for DXP Platform.", PackageDescription="Switch; 2 Leads", PackageReference=SPST-2, Published=24-Mar-1999, Publisher="Altium Limited"
U1: "Spartan-3 1.2V FPGA, 141 User I/Os, 208-Pin PQFP, Standard Performance, Commercial Grade", Supplier Part Number 1=XC3S400-4PQ208C-ND, Code_JEDEC=MS-029-FA-1, ComponentLink1Description="Spartan-3 Datasheet", ComponentLink1URL=http://www.xilinx.com/support/documentation/data_sheets/ds099.pdf, ComponentLink2Description="PQ208 Package Drawing", ComponentLink2URL=http://www.xilinx.com/support/documentation/package_specs/pq208.pdf, ComponentLink3Description="Spartan-3 Documents", ComponentLink3URL=http://www.xilinx.com/support/documentation/spartan-3.htm, ComponentLink4Description="Xilinx.com Home", ComponentLink4URL=http://www.xilinx.com, DatasheetVersion="ver2.4, Jun-2008", FirstPublished=17-Sep-2003, LatestRevisionDate=05-Mar-2009, LatestRevisionNote="Updated to datasheet version 2.4 Jun-2008.", Ordering Information="Additional code may have to be appended for different mask revision devices.", PackageDescription="208-Pin Plastic Quad Flat Pack (PQ208)", PackageReference=PQ208, PackageVersion="ver1.2, Jun-2004", Publisher="Altium Limited", Supplier 1=Digi-Key
U2: "High-Voltage, High-Current Darlington Array", ComponentLink1Description="Manufacturer Link", ComponentLink1URL=http://www.allegromicro.com/, DatasheetVersion=1999, LatestRevisionDate=06-Jun-2005, LatestRevisionNote="Stylized 3D Model Added.", PackageDescription="DIP; 18 Leads; Row Spacing 7.62 mm; Pitch 2.54 mm", PackageReference=A18, PackageVersion=1999, Published=13-Oct-2000, Publisher="Altium Limited"
U3: "STM32 ARM-based 32-bit MCU with 128 Kbytes Flash, 64-pin LQFP, Industrial Temperature", ComponentLink1Description="Manufacturer Link", ComponentLink1URL=www.st.com/stm32, ComponentLink2Description=Datasheet, ComponentLink2URL=http://www.st.com/stonline/products/literature/ds/13587.pdf, DatasheetVersion="rev6, Mar-2008", PackageDescription="64-Pin Low-Profile Quad Flat Pack, 10 x 10 mm Body, 0.5 mm Pitch (LQFP64)", PackageReference=LQFP64, PackageVersion=Mar-2008, Published=30-May-2008, Publisher="Altium Limited"
U4: "SIMPLE SWITCHER; 3A Step-Down Voltage Regulator", DigiKeyPartNumber=LM2576HVT-3.3-ND, Manufacturer="National Semiconductor", PackageTopMarking="NSUZXYTT*LM2576HVT*-3.3 P+", Code_JEDEC=TO-220-AB, ComponentLink1Description="LM2576HV Datasheet", ComponentLink1URL=http://www.national.com/ds/LM/LM2576HV.pdf, ComponentLink2Description="LM2576HV Web Page", ComponentLink2URL=http://www.national.com/pf/LM/LM2576HV.html, ComponentLink3Description="T05A Package Page", ComponentLink3URL=http://www.national.com/packaging/folders/t05a.html, CompType=Switcher, DatasheetVersion=Aug-2004, PackageDescription="TO-220, Molded, 5 Lead, Straight", PackageReference=T05A, PackageVersion="revJ, Jan-1992", PartNumber=LM2576HVT-3.3, PinCount=5, Published=4-Dec-2008, Publisher="Altium Limited", RoHS=Y
U6 U15: "Octal Bus Buffer with 3 State Outputs (Non Inverted)", Code_JEDEC=MS-015-AE, ComponentLink1Description="Manufacturer Link", ComponentLink1URL=http://www.st.com/, DatasheetVersion=Oct-1993, LatestRevisionDate=06-Jun-2005, LatestRevisionNote="Stylized 3D Model Added.", PackageDescription="DIP; 20 Leads; Row Spacing 7.62 mm; Pitch 2.54 mm", PackageReference=DIP20, PackageVersion=Jun-1998, Published=8-Jun-2000, Publisher="Altium Limited"
U11: "XCF00S Series, Platform Flash In-System Programmable Configuration 3.3V PROM, 20-Pin TSOP, 2-Megabit, Commercial Grade", Supplier Part Number 1=XCF02SVO20C-ND, Code_JEDEC=MO-153-AC, ComponentLink1Description="Platform Flash Datasheet", ComponentLink1URL=http://www.xilinx.com/support/documentation/data_sheets/ds123.pdf, ComponentLink2Description="VO20 Package Drawing", ComponentLink2URL=http://www.xilinx.com/support/documentation/package_specs/vo20.pdf, ComponentLink3Description="Configuration PROM Documents", ComponentLink3URL=http://www.xilinx.com/support/documentation/configuration_proms.htm, ComponentLink4Description="Xilinx.com Home", ComponentLink4URL=http://www.xilinx.com, DatasheetVersion="ver2.17, Oct-2009", FirstPublished=17-Sep-2003, LatestRevisionDate=16-Nov-2009, LatestRevisionNote="Updated to datasheet version 2.17, Oct-2009.", PackageDescription="20-Pin Thin Shrink Small Outline Package (VO20)", PackageReference=VO20, PackageVersion="ver1.3, Dec-2008", Publisher="Altium Limited", Supplier 1=Digi-Key
U14: "Dual High Speed USB To Multipurpose UART/FIFO IC, LQFP-64, Tape and Reel", ComponentLink1Description="Manufacturer Link", ComponentLink1URL=http://www.ftdichip.com/Products/ICs/FT2232H.htm, ComponentLink2Description=Datasheet, ComponentLink2URL=http://www.ftdichip.com/Support/Documents/DataSheets/ICs/DS_FT2232H.pdf, DatasheetVersion="ver 2.08, May-2010", PackageDescription="64-Pin Thin Quad Flat Pack, 10 x 10 x 1.4 mm Body, 0.5 mm Pitch", PackageReference=LQFP-64, PackageVersion=2010, Published=19-Aug-2010, Publisher="Altium Limited"
U16: "1K, 128x8-bit, 2.5V Microwire Serial EEPROM, 8-Pin SOIC 150mil, Extended Temperature", Supplier Part Number 1=93LC46A-E/SN-ND, Code_IPC=SOIC127P600-8, Code_JEDEC=MS-012, ComponentAvailability="Unknown. Contact manufacturer to determine status.", ComponentLink1Description=Datasheet, ComponentLink1URL=http://ww1.microchip.com/downloads/en/DeviceDoc/21749G.pdf, ComponentLink2Description="Packaging Specification", ComponentLink2URL=http://www.microchip.com/stellent/groups/techpub_sg/documents/packagingspec/en012702.pdf, ComponentLink3Description="Microchip.com Home", ComponentLink3URL=http://www.microchip.com/, DatasheetVersion="revG, May-2008", PackageDescription="8-Lead Plastic Small Outline (SN) - Narrow, 3.90mm Body [SOIC]", PackageReference=SOIC-SN8, PackageVersion="revBB, Aug-2009", Published=29-Jan-2009, Publisher="Altium Limited", Supplier 1=Digi-Key
U17: "3.0V TO 5.5V, Low-Power, up to 1Mbps, True RS-232 Transceiver Using Four 0.1µF External Capacitor", Code_JEDEC=MS-001-BB, ComponentLink1Description="Manufacturer Link", ComponentLink1URL=http://www.maxim-ic.com/, ComponentLink2Description=Datasheet, ComponentLink2URL=http://pdfserv.maxim-ic.com/en/ds/MAX3222-MAX3241.pdf, DatasheetVersion=Mar-1999, LatestRevisionDate=29-May-2009, LatestRevisionNote="Component Body Added.", PackageDescription="DIP, 16-Pin, Row Spacing 7.62 mm, Pitch 2.54 mm", PackageReference=PE16, PackageVersion=Aug-2000, Published=16-Jan-2001, Publisher="Altium Limited"
Y1_17.74 Y2: library part XTAL, "Crystal Oscillator", LatestRevisionDate=17-Jul-2002, LatestRevisionNote="Re-released for DXP Platform.", PackageDescription="Crystal, Thru-Hole; 2 Leads; Body 3.1 x 8.2 mm (Dia.xH)", PackageReference=R38, Published=8-Jun-2000, Publisher="Altium Limited"
L1 L2 L3: Code_IEC=1005, Code_JEITA=0402, LatestRevisionDate=29-May-2009, LatestRevisionNote="IPC-7351 Footprint Added.", PackageDescription="Chip Inductor", PackageReference=0402-A, Published=8-Jun-2000, Publisher="Altium Limited"

## Via types
v1: diameter 1, hole 0.5, Top Layer to Bottom Layer, 447 vias

## Nets (pads, with @x,y where several pads share a name; then routed paths per layer and width w, separated by ;. In a path a pad name is that pad's centre, name@x,y a point inside that pad or via, vN(x,y) a via of type N, cw(c..) or ccw(c..) an arc to the next point about the centre after c; other vN are vias at no path point)
1.2V: C20.2 C21.2 C22.2 C23.2 C53.1 C55.2 R32.2 R36.2 U1.70 U1.88 U1.174 U1.192 U12.2 | length 174.8
  Top Layer w0.254: v1(59.817,240.538) 60.325,240.538 61.824,239.039 U12.2@63.72,239.039 62.351,240.408 61.986,240.408 52.346,250.048 52.321,250.048 51.435,250.934 51.435,251.968 51.562,251.968 52.324,252.73 55.726,252.73 58.966,255.97 61.557,255.97 61.876,255.651 v1(71.12,255.651) ; U12.2@63.72,232.41 63.72,233.9 64.262,234.442 68.95,234.442 C53.1@70.229,233.163 70.229,231.519 68.326,229.616 v1(67.437,229.616) ; v1(83.82,262.763) 83.947,262.763 84.552,262.158 86.471,262.158 86.575,262.054 99.923,262.054 99.96,262.091 101.572,262.091 U1.174@101.595,262.114 112.917,262.114 v1(113.157,261.874) ; U1.192@101.595,253.114 103.326,253.114 103.358,253.146 103.885,252.619 103.885,252.611 105.725,250.771 108.377,250.771 108.75,251.144 110.228,251.144 110.417,251.333 110.417,252.938 111.987,254.508 v1(113.157,254.508) ; v1(119.888,261.874) 124.433,261.874 124.752,261.555 125.438,261.555 126.529,262.646 126.561,262.614 U1.88@132.485,262.614 ; v1(120.904,254.381) 121.671,253.614 U1.70@132.485,253.614
  Bottom Layer w0.254: v1(59.817,240.538) 58.039,238.76 58.039,235.331 58.877,234.493 R36.2@59.233,234.493 59.233,235.128 59.69,235.585 60.325,235.585 60.325,236.22 61.087,236.982 64.77,236.982 64.897,236.855 64.897,235.991 C55.2@66.396,234.493 67.437,233.451 v1(67.437,229.616) 67.437,229.489 64.719,226.771 R32.2@64.719,226.087 ; v1(71.12,255.651) 73.345,255.651 74.095,256.4 77.139,256.4 77.144,256.405 82.288,256.405 82.677,256.794 82.677,262.128 83.312,262.763 v1(83.82,262.763)
  other v1: 121.031,259.588
1.8V: C60.2 C61.2 U14.12 U14.37 U14.49 U14.64 | length 32.3
  Top Layer w0.254: U14.37@156.54,240.379 158.591,240.379 v1(158.623,240.411) ; v1(157.677,234.064) 157.677,233.991 157.734,233.934 158.115,234.315 158.34,234.09 U14.49@158.34,233.079 ; v1(163.195,234.823) 163.776,235.404 163.776,238.826 164.588,239.638 164.742,239.638 165.483,240.379 U14.12@167.64,240.379 ; U14.64@165.817,233.102 U14.64@165.84,233.079 165.84,231.797 166.265,231.797 166.878,232.41 v1(166.878,232.791)
  Bottom Layer w0.254: v1(157.677,234.064) 157.677,234.258 158.242,234.823 ; v1(158.623,240.411) 158.623,235.204 158.242,234.823 ; v1(166.878,232.791) 166.878,232.664 164.719,234.823 v1(163.195,234.823) 158.242,234.823
2.5V: C9.2 C10.2 C11.2 C12.2 C13.2 C14.2 C15.2 C16.2 C46.1 C49.2 P11.26 R23.2 R26.2 R27.2 R28.2 U1.17 U1.38 U1.69 U1.89 U1.121 U1.142 U1.173 U1.193 U8.2 | length 234.7
  Top Layer w0.254: v1(81.153,247.777) 81.153,249.936 81.531,250.314 95.356,250.314 98.387,247.283 v1(98.387,245.91) ; v1(82.677,244.602) 81.569,244.602 76.42,239.453 U8.2@76.42,239.039 76.42,237.397 77.724,236.093 77.724,233.714 U8.2@76.42,232.41 77.958,230.872 78.282,230.872 78.473,230.68 78.473,229.009 78.421,228.957 78.421,228.13 79.094,227.457 80.01,227.457 v1(82.296,229.743) 82.55,229.743 83.095,230.288 C46.1@83.095,233.163 ; v1(97.58,262.89) 97.856,262.614 U1.173@101.595,262.614 108.416,262.614 109.22,263.418 v1(109.22,265.938) 111.294,268.012 U1.142@111.294,273.336 ; U1.193@101.604,252.623 103.239,252.623 103.431,252.431 103.431,252.423 105.537,250.317 v1(109.093,250.317) ; U1.17@112.294,242.443 112.294,244.27 112.698,244.27 116.902,248.474 116.902,248.501 117.729,249.328 v1(117.729,250.317) ; U1.121@121.794,273.336 121.794,266.699 v1(122.301,266.192) ; U1.38@122.785,242.411 122.785,244.238 123.715,244.238 123.84,244.363 123.84,247.164 125.73,249.054 125.73,249.682 v1(124.968,250.444) 124.968,252.476 125.638,253.146 125.67,253.114 U1.69@132.485,253.114 ; v1(125.095,262.382) 125.859,263.146 125.868,263.137 136.405,263.137 136.917,262.625 138.834,262.625 139.226,263.017 v1(141.097,263.017) ; v1(143.383,258.191) 143.383,258.713 144.088,259.418 151.11,259.418 158.688,251.84 158.688,250.736 158.204,250.252 156.145,250.252 154.24,248.347 154.24,247.561 154.432,247.369 v1(154.432,246.253) 154.286,246.107 154.286,241.408 153.797,240.919 v1(153.797,240.284)
  Bottom Layer w0.254: C49.2@79.096,234.493 79.096,232.943 v1(82.296,229.743) 87.249,224.79 89.33,224.79 R23.2@90.627,226.087 ; v1(81.153,247.777) 81.153,246.126 v1(82.677,244.602) ; v1(97.58,262.89) 101.346,262.89 101.508,262.728 101.508,245.91 v1(98.387,245.91) v1@98.171,246.126 ; v1(141.097,263.017) 142.319,263.017 142.748,262.588 142.748,258.826 v1(143.383,258.191) ; R27.2@148.996,246.837 149.962,245.872 150.151,246.061 153.632,246.061 153.824,246.253 v1(154.432,246.253) ; R28.2@152.4,237.084 153.264,237.084 153.797,237.617 v1(153.797,240.284)
  other v1: 125.222,254.762 109.22,257.937